# KiCad board poly_kb_molecule_16x5.kicad_pcb (continued)
## Placement (name value [footprint] x y rotation side) (continued)
J4#51  EastFront  [AtomConnect2]  265.68 9.53 270 top
J4#52  EastFront  [AtomConnect2]  37.08 47.62 270 top
J4#53  EastFront  [AtomConnect2]  56.13 85.72 270 top
J4#54  EastFront  [AtomConnect2]  246.63 66.67 270 top
J4#55  EastFront  [AtomConnect2]  170.43 85.72 270 top
J4#56  EastFront  [AtomConnect2]  75.18 28.58 270 top
J4#57  EastFront  [AtomConnect2]  94.23 66.67 270 top
J4#58  EastFront  [AtomConnect2]  151.38 85.72 270 top
J4#59  EastFront  [AtomConnect2]  227.58 85.72 270 top
J4#60  EastFront  [AtomConnect2]  265.68 85.72 270 top
J4#61  EastFront  [AtomConnect2]  151.38 47.62 270 top
J4#62  EastFront  [AtomConnect2]  189.48 9.53 270 top
J4#63  EastFront  [AtomConnect2]  94.23 47.62 270 top
J4#64  EastFront  [AtomConnect2]  284.73 28.58 270 top
J4#65  EastFront  [AtomConnect2]  189.48 28.58 270 top
J4#66  EastFront  [AtomConnect2]  246.63 85.72 270 top
J4#67  EastFront  [AtomConnect2]  37.08 28.58 270 top
J4#68  EastFront  [AtomConnect2]  170.43 28.58 270 top
J4#69  EastFront  [AtomConnect2]  227.58 9.53 270 top
J4#70  EastFront  [AtomConnect2]  18.03 28.58 270 top
J4#71  EastFront  [AtomConnect2]  284.73 47.62 270 top
J4#72  EastFront  [AtomConnect2]  18.03 66.67 270 top
J4#73  EastFront  [AtomConnect2]  56.13 9.53 270 top
J4#74  EastFront  [AtomConnect2]  246.63 28.58 270 top
J4#75  EastFront  [AtomConnect2]  303.78 28.58 270 top
J4#76  EastFront  [AtomConnect2]  56.13 28.58 270 top
J4#77  EastFront  [AtomConnect2]  151.38 9.53 270 top
J4#78  EastFront  [AtomConnect2]  170.43 66.67 270 top
J4#79  EastFront  [AtomConnect2]  37.08 85.72 270 top
J4#80  EastFront  [AtomConnect2]  303.78 66.67 270 top
J5  WestBack  [AtomConnectCS]  1.02 85.72 270 bottom
J5#2  WestBack  [AtomConnectCS]  229.62 47.62 270 bottom
J5#3  WestBack  [AtomConnectCS]  39.12 85.72 270 bottom
J5#4  WestBack  [AtomConnectCS]  153.42 28.58 270 bottom
J5#5  WestBack  [AtomConnectCS]  1.02 28.58 270 bottom
J5#6  WestBack  [AtomConnectCS]  58.17 28.58 270 bottom
J5#7  WestBack  [AtomConnectCS]  286.77 28.58 270 bottom
J5#8  WestBack  [AtomConnectCS]  20.07 47.62 270 bottom
J5#9  WestBack  [AtomConnectCS]  58.17 9.53 270 bottom
J5#10  WestBack  [AtomConnectCS]  229.62 28.58 270 bottom
J5#11  WestBack  [AtomConnectCS]  77.22 9.53 270 bottom
J5#12  WestBack  [AtomConnectCS]  96.27 9.53 270 bottom
J5#13  WestBack  [AtomConnectCS]  267.72 9.53 270 bottom
J5#14  WestBack  [AtomConnectCS]  229.62 9.53 270 bottom
J5#15  WestBack  [AtomConnectCS]  191.52 66.67 270 bottom
J5#16  WestBack  [AtomConnectCS]  286.77 9.53 270 bottom
J5#17  WestBack  [AtomConnectCS]  248.67 9.53 270 bottom
J5#18  WestBack  [AtomConnectCS]  115.32 47.62 270 bottom
J5#19  WestBack  [AtomConnectCS]  172.47 28.58 270 bottom
J5#20  WestBack  [AtomConnectCS]  210.57 85.72 270 bottom
J5#21  WestBack  [AtomConnectCS]  58.17 66.67 270 bottom
J5#22  WestBack  [AtomConnectCS]  77.22 85.72 270 bottom
J5#23  WestBack  [AtomConnectCS]  77.22 28.58 270 bottom
J5#24  WestBack  [AtomConnectCS]  267.72 28.58 270 bottom
J5#25  WestBack  [AtomConnectCS]  153.42 66.67 270 bottom
J5#26  WestBack  [AtomConnectCS]  191.52 85.72 270 bottom
J5#27  WestBack  [AtomConnectCS]  134.37 85.72 270 bottom
J5#28  WestBack  [AtomConnectCS]  96.27 47.62 270 bottom
J5#29  WestBack  [AtomConnectCS]  77.22 66.67 270 bottom
J5#30  WestBack  [AtomConnectCS]  96.27 28.58 270 bottom
J5#31  WestBack  [AtomConnectCS]  39.12 47.62 270 bottom
J5#32  WestBack  [AtomConnectCS]  20.07 9.53 270 bottom
J5#33  WestBack  [AtomConnectCS]  286.77 47.62 270 bottom
J5#34  WestBack  [AtomConnectCS]  153.42 85.72 270 bottom
J5#35  WestBack  [AtomConnectCS]  172.47 9.53 270 bottom
J5#36  WestBack  [AtomConnectCS]  248.67 66.67 270 bottom
J5#37  WestBack  [AtomConnectCS]  191.52 9.53 270 bottom
J5#38  WestBack  [AtomConnectCS]  20.07 66.67 270 bottom
J5#39  WestBack  [AtomConnectCS]  115.32 85.72 270 bottom
J5#40  WestBack  [AtomConnectCS]  1.02 9.53 270 bottom
J5#41  WestBack  [AtomConnectCS]  248.67 28.58 270 bottom
J5#42  WestBack  [AtomConnectCS]  210.57 9.53 270 bottom
J5#43  WestBack  [AtomConnectCS]  172.47 85.72 270 bottom
J5#44  WestBack  [AtomConnectCS]  172.47 47.62 270 bottom
J5#45  WestBack  [AtomConnectCS]  191.52 28.58 270 bottom
J5#46  WestBack  [AtomConnectCS]  96.27 85.72 270 bottom
J5#47  WestBack  [AtomConnectCS]  267.72 47.62 270 bottom
J5#48  WestBack  [AtomConnectCS]  96.27 66.67 270 bottom
J5#49  WestBack  [AtomConnectCS]  248.67 47.62 270 bottom
J5#50  WestBack  [AtomConnectCS]  77.22 47.62 270 bottom
J5#51  WestBack  [AtomConnectCS]  115.32 66.67 270 bottom
J5#52  WestBack  [AtomConnectCS]  134.37 9.53 270 bottom
J5#53  WestBack  [AtomConnectCS]  1.02 66.67 270 bottom
J5#54  WestBack  [AtomConnectCS]  229.62 85.72 270 bottom
J5#55  WestBack  [AtomConnectCS]  210.57 28.58 270 bottom
J5#56  WestBack  [AtomConnectCS]  58.17 85.72 270 bottom
J5#57  WestBack  [AtomConnectCS]  153.42 9.53 270 bottom
J5#58  WestBack  [AtomConnectCS]  248.67 85.72 270 bottom
J5#59  WestBack  [AtomConnectCS]  229.62 66.67 270 bottom
J5#60  WestBack  [AtomConnectCS]  172.47 66.67 270 bottom
J5#61  WestBack  [AtomConnectCS]  58.17 47.62 270 bottom
J5#62  WestBack  [AtomConnectCS]  115.32 28.58 270 bottom
J5#63  WestBack  [AtomConnectCS]  20.07 28.58 270 bottom
J5#64  WestBack  [AtomConnectCS]  267.72 66.67 270 bottom
J5#65  WestBack  [AtomConnectCS]  20.07 85.72 270 bottom
J5#66  WestBack  [AtomConnectCS]  115.32 9.53 270 bottom
J5#67  WestBack  [AtomConnectCS]  1.02 47.62 270 bottom
J5#68  WestBack  [AtomConnectCS]  267.72 85.72 270 bottom
J5#69  WestBack  [AtomConnectCS]  39.12 66.67 270 bottom
J5#70  WestBack  [AtomConnectCS]  286.77 66.67 270 bottom
J5#71  WestBack  [AtomConnectCS]  39.12 9.53 270 bottom
J5#72  WestBack  [AtomConnectCS]  153.42 47.62 270 bottom
J5#73  WestBack  [AtomConnectCS]  134.37 28.58 270 bottom
J5#74  WestBack  [AtomConnectCS]  134.37 66.67 270 bottom
J5#75  WestBack  [AtomConnectCS]  210.57 66.67 270 bottom
J5#76  WestBack  [AtomConnectCS]  134.37 47.62 270 bottom
J5#77  WestBack  [AtomConnectCS]  39.12 28.58 270 bottom
J5#78  WestBack  [AtomConnectCS]  286.77 85.72 270 bottom
J5#79  WestBack  [AtomConnectCS]  210.57 47.62 270 bottom
J5#80  WestBack  [AtomConnectCS]  191.52 47.62 270 bottom
J6  EastBack  [AtomConnect2]  18.03 85.72 270 bottom
J6#2  EastBack  [AtomConnect2]  265.68 28.58 270 bottom
J6#3  EastBack  [AtomConnect2]  37.08 66.67 270 bottom
J6#4  EastBack  [AtomConnect2]  113.28 66.67 270 bottom
J6#5  EastBack  [AtomConnect2]  170.43 66.67 270 bottom
J6#6  EastBack  [AtomConnect2]  37.08 85.72 270 bottom
J6#7  EastBack  [AtomConnect2]  170.43 9.53 270 bottom
J6#8  EastBack  [AtomConnect2]  303.78 66.67 270 bottom
J6#9  EastBack  [AtomConnect2]  303.78 9.53 270 bottom
J6#10  EastBack  [AtomConnect2]  113.28 9.53 270 bottom
J6#11  EastBack  [AtomConnect2]  189.48 85.72 270 bottom
J6#12  EastBack  [AtomConnect2]  189.48 47.62 270 bottom
J6#13  EastBack  [AtomConnect2]  170.43 47.62 270 bottom
J6#14  EastBack  [AtomConnect2]  208.53 9.53 270 bottom
J6#15  EastBack  [AtomConnect2]  303.78 47.62 270 bottom
J6#16  EastBack  [AtomConnect2]  227.58 47.62 270 bottom
J6#17  EastBack  [AtomConnect2]  284.73 66.67 270 bottom
J6#18  EastBack  [AtomConnect2]  132.33 66.67 270 bottom
J6#19  EastBack  [AtomConnect2]  170.43 85.72 270 bottom
J6#20  EastBack  [AtomConnect2]  18.03 47.62 270 bottom
J6#21  EastBack  [AtomConnect2]  303.78 28.58 270 bottom
J6#22  EastBack  [AtomConnect2]  265.68 47.62 270 bottom
J6#23  EastBack  [AtomConnect2]  75.18 66.67 270 bottom
J6#24  EastBack  [AtomConnect2]  18.03 28.58 270 bottom
J6#25  EastBack  [AtomConnect2]  94.23 66.67 270 bottom
J6#26  EastBack  [AtomConnect2]  94.23 85.72 270 bottom
J6#27  EastBack  [AtomConnect2]  75.18 28.58 270 bottom
J6#28  EastBack  [AtomConnect2]  227.58 28.58 270 bottom
J6#29  EastBack  [AtomConnect2]  246.63 28.58 270 bottom
J6#30  EastBack  [AtomConnect2]  227.58 66.67 270 bottom
J6#31  EastBack  [AtomConnect2]  75.18 85.72 270 bottom
J6#32  EastBack  [AtomConnect2]  170.43 28.58 270 bottom
J6#33  EastBack  [AtomConnect2]  113.28 47.62 270 bottom
J6#34  EastBack  [AtomConnect2]  303.78 85.72 270 bottom
J6#35  EastBack  [AtomConnect2]  56.13 47.62 270 bottom
J6#36  EastBack  [AtomConnect2]  246.63 9.53 270 bottom
J6#37  EastBack  [AtomConnect2]  208.53 47.62 270 bottom
J6#38  EastBack  [AtomConnect2]  189.48 28.58 270 bottom
J6#39  EastBack  [AtomConnect2]  246.63 47.62 270 bottom
J6#40  EastBack  [AtomConnect2]  132.33 28.58 270 bottom
J6#41  EastBack  [AtomConnect2]  208.53 66.67 270 bottom
J6#42  EastBack  [AtomConnect2]  265.68 66.67 270 bottom
J6#43  EastBack  [AtomConnect2]  284.73 28.58 270 bottom
J6#44  EastBack  [AtomConnect2]  56.13 85.72 270 bottom
J6#45  EastBack  [AtomConnect2]  246.63 66.67 270 bottom
J6#46  EastBack  [AtomConnect2]  113.28 85.72 270 bottom
J6#47  EastBack  [AtomConnect2]  189.48 9.53 270 bottom
J6#48  EastBack  [AtomConnect2]  37.08 47.62 270 bottom
J6#49  EastBack  [AtomConnect2]  284.73 85.72 270 bottom
J6#50  EastBack  [AtomConnect2]  227.58 85.72 270 bottom
J6#51  EastBack  [AtomConnect2]  75.18 47.62 270 bottom
J6#52  EastBack  [AtomConnect2]  246.63 85.72 270 bottom
J6#53  EastBack  [AtomConnect2]  94.23 9.53 270 bottom
J6#54  EastBack  [AtomConnect2]  208.53 85.72 270 bottom
J6#55  EastBack  [AtomConnect2]  75.18 9.53 270 bottom
J6#56  EastBack  [AtomConnect2]  56.13 9.53 270 bottom
J6#57  EastBack  [AtomConnect2]  56.13 28.58 270 bottom
J6#58  EastBack  [AtomConnect2]  208.53 28.58 270 bottom
J6#59  EastBack  [AtomConnect2]  56.13 66.67 270 bottom
J6#60  EastBack  [AtomConnect2]  132.33 9.53 270 bottom
J6#61  EastBack  [AtomConnect2]  227.58 9.53 270 bottom
J6#62  EastBack  [AtomConnect2]  265.68 85.72 270 bottom
J6#63  EastBack  [AtomConnect2]  37.08 9.53 270 bottom
J6#64  EastBack  [AtomConnect2]  189.48 66.67 270 bottom
J6#65  EastBack  [AtomConnect2]  18.03 9.53 270 bottom
J6#66  EastBack  [AtomConnect2]  94.23 47.62 270 bottom
J6#67  EastBack  [AtomConnect2]  284.73 9.53 270 bottom
J6#68  EastBack  [AtomConnect2]  132.33 47.62 270 bottom
J6#69  EastBack  [AtomConnect2]  265.68 9.53 270 bottom
J6#70  EastBack  [AtomConnect2]  132.33 85.72 270 bottom
J6#71  EastBack  [AtomConnect2]  284.73 47.62 270 bottom
J6#72  EastBack  [AtomConnect2]  113.28 28.58 270 bottom
J6#73  EastBack  [AtomConnect2]  94.23 28.58 270 bottom
J6#74  EastBack  [AtomConnect2]  37.08 28.58 270 bottom
J6#75  EastBack  [AtomConnect2]  18.03 66.67 270 bottom
J7  South  [TestPoin_1.5x1.5mm_Drill0.7mm]  136.91 0.76 0 top
J7#2  South  [TestPoin_1.5x1.5mm_Drill0.7mm]  251.21 0.76 0 top
J7#3  South  [TestPoin_1.5x1.5mm_Drill0.7mm]  98.81 0.76 0 top
J7#4  South  [TestPoin_1.5x1.5mm_Drill0.7mm]  41.66 0.76 0 top
J7#5  South  [TestPoin_1.5x1.5mm_Drill0.7mm]  155.96 0.76 0 top
J7#6  South  [TestPoin_1.5x1.5mm_Drill0.7mm]  232.16 0.76 0 top
J7#7  South  [TestPoin_1.5x1.5mm_Drill0.7mm]  22.61 0.76 0 top
J7#8  South  [TestPoin_1.5x1.5mm_Drill0.7mm]  117.86 0.76 0 top
J7#9  South  [TestPoin_1.5x1.5mm_Drill0.7mm]  3.56 0.76 0 top
J7#10  South  [TestPoin_1.5x1.5mm_Drill0.7mm]  175.01 0.76 0 top
J7#11  South  [TestPoin_1.5x1.5mm_Drill0.7mm]  213.11 0.76 0 top
J7#12  South  [TestPoin_1.5x1.5mm_Drill0.7mm]  194.06 0.76 0 top
J7#13  South  [TestPoin_1.5x1.5mm_Drill0.7mm]  60.71 0.76 0 top
J7#14  South  [TestPoin_1.5x1.5mm_Drill0.7mm]  270.26 0.76 0 top
J7#15  South  [TestPoin_1.5x1.5mm_Drill0.7mm]  79.76 0.76 0 top
J7#16  South  [TestPoin_1.5x1.5mm_Drill0.7mm]  289.31 0.76 0 top
J8  North2  [TestPoin_1.5x1.5mm_Drill0.7mm]  3.56 94.49 0 top
J8#2  North2  [TestPoin_1.5x1.5mm_Drill0.7mm]  194.06 94.49 0 top
J8#3  North2  [TestPoin_1.5x1.5mm_Drill0.7mm]  270.26 94.49 0 top
J8#4  North2  [TestPoin_1.5x1.5mm_Drill0.7mm]  41.66 94.49 0 top
J8#5  North2  [TestPoin_1.5x1.5mm_Drill0.7mm]  251.21 94.49 0 top
J8#6  North2  [TestPoin_1.5x1.5mm_Drill0.7mm]  155.96 94.49 0 top
J8#7  North2  [TestPoin_1.5x1.5mm_Drill0.7mm]  232.16 94.49 0 top
J8#8  North2  [TestPoin_1.5x1.5mm_Drill0.7mm]  22.61 94.49 0 top
J8#9  North2  [TestPoin_1.5x1.5mm_Drill0.7mm]  79.76 94.49 0 top
J8#10  North2  [TestPoin_1.5x1.5mm_Drill0.7mm]  175.01 94.49 0 top
J8#11  North2  [TestPoin_1.5x1.5mm_Drill0.7mm]  213.11 94.49 0 top
J8#12  North2  [TestPoin_1.5x1.5mm_Drill0.7mm]  136.91 94.49 0 top
J8#13  North2  [TestPoin_1.5x1.5mm_Drill0.7mm]  60.71 94.49 0 top
J8#14  North2  [TestPoin_1.5x1.5mm_Drill0.7mm]  98.81 94.49 0 top
J8#15  North2  [TestPoin_1.5x1.5mm_Drill0.7mm]  289.31 94.49 0 top
J8#16  North2  [TestPoin_1.5x1.5mm_Drill0.7mm]  117.86 94.49 0 top
J9  South2  [TestPoin_1.5x1.5mm_Drill0.7mm]  263.14 0.76 0 top
J9#2  South2  [TestPoin_1.5x1.5mm_Drill0.7mm]  205.99 0.76 0 top
J9#3  South2  [TestPoin_1.5x1.5mm_Drill0.7mm]  91.69 0.76 0 top
J9#4  South2  [TestPoin_1.5x1.5mm_Drill0.7mm]  148.84 0.76 0 top
J9#5  South2  [TestPoin_1.5x1.5mm_Drill0.7mm]  282.19 0.76 0 top
J9#6  South2  [TestPoin_1.5x1.5mm_Drill0.7mm]  129.79 0.76 0 top
J9#7  South2  [TestPoin_1.5x1.5mm_Drill0.7mm]  225.04 0.76 0 top
J9#8  South2  [TestPoin_1.5x1.5mm_Drill0.7mm]  186.94 0.76 0 top
J9#9  South2  [TestPoin_1.5x1.5mm_Drill0.7mm]  72.64 0.76 0 top
J9#10  South2  [TestPoin_1.5x1.5mm_Drill0.7mm]  15.49 0.76 0 top
J9#11  South2  [TestPoin_1.5x1.5mm_Drill0.7mm]  110.74 0.76 0 top
J9#12  South2  [TestPoin_1.5x1.5mm_Drill0.7mm]  167.89 0.76 0 top
J9#13  South2  [TestPoin_1.5x1.5mm_Drill0.7mm]  53.59 0.76 0 top
J9#14  South2  [TestPoin_1.5x1.5mm_Drill0.7mm]  301.24 0.76 0 top
J9#15  South2  [TestPoin_1.5x1.5mm_Drill0.7mm]  34.54 0.76 0 top
J9#16  South2  [TestPoin_1.5x1.5mm_Drill0.7mm]  244.09 0.76 0 top
kibuzzard-61EFA8F1  G***  [kibuzzard-61EFA8F1]  225.27 3.53 0 top
kibuzzard-61EFA8F1#2  G***  [kibuzzard-61EFA8F1]  34.77 79.73 0 top
kibuzzard-61EFA8F1#3  G***  [kibuzzard-61EFA8F1]  53.82 22.58 0 top
kibuzzard-61EFA8F1#4  G***  [kibuzzard-61EFA8F1]  282.42 60.68 0 top
kibuzzard-61EFA8F1#5  G***  [kibuzzard-61EFA8F1]  72.87 41.63 0 top
kibuzzard-61EFA8F1#6  G***  [kibuzzard-61EFA8F1]  263.37 22.58 0 top
kibuzzard-61EFA8F1#7  G***  [kibuzzard-61EFA8F1]  130.02 22.58 0 top
kibuzzard-61EFA8F1#8  G***  [kibuzzard-61EFA8F1]  168.12 3.53 0 top
kibuzzard-61EFA8F1#9  G***  [kibuzzard-61EFA8F1]  225.27 79.73 0 top
kibuzzard-61EFA8F1#10  G***  [kibuzzard-61EFA8F1]  91.92 22.58 0 top
kibuzzard-61EFA8F1#11  G***  [kibuzzard-61EFA8F1]  149.07 79.73 0 top
kibuzzard-61EFA8F1#12  G***  [kibuzzard-61EFA8F1]  110.97 79.73 0 top
kibuzzard-61EFA8F1#13  G***  [kibuzzard-61EFA8F1]  53.82 41.63 0 top
kibuzzard-61EFA8F1#14  G***  [kibuzzard-61EFA8F1]  301.47 60.68 0 top
kibuzzard-61EFA8F1#15  G***  [kibuzzard-61EFA8F1]  168.12 79.73 0 top
kibuzzard-61EFA8F1#16  G***  [kibuzzard-61EFA8F1]  187.17 79.73 0 top
kibuzzard-61EFA8F1#17  G***  [kibuzzard-61EFA8F1]  168.12 60.68 0 top
kibuzzard-61EFA8F1#18  G***  [kibuzzard-61EFA8F1]  130.02 41.63 0 top
kibuzzard-61EFA8F1#19  G***  [kibuzzard-61EFA8F1]  91.92 41.63 0 top
kibuzzard-61EFA8F1#20  G***  [kibuzzard-61EFA8F1]  72.87 60.68 0 top
kibuzzard-61EFA8F1#21  G***  [kibuzzard-61EFA8F1]  130.02 60.68 0 top
kibuzzard-61EFA8F1#22  G***  [kibuzzard-61EFA8F1]  110.97 41.63 0 top
kibuzzard-61EFA8F1#23  G***  [kibuzzard-61EFA8F1]  282.42 41.63 0 top
kibuzzard-61EFA8F1#24  G***  [kibuzzard-61EFA8F1]  206.22 41.63 0 top
kibuzzard-61EFA8F1#25  G***  [kibuzzard-61EFA8F1]  15.72 22.58 0 top
kibuzzard-61EFA8F1#26  G***  [kibuzzard-61EFA8F1]  130.02 3.53 0 top
kibuzzard-61EFA8F1#27  G***  [kibuzzard-61EFA8F1]  168.12 22.58 0 top
kibuzzard-61EFA8F1#28  G***  [kibuzzard-61EFA8F1]  149.07 3.53 0 top
kibuzzard-61EFA8F1#29  G***  [kibuzzard-61EFA8F1]  244.32 79.73 0 top
kibuzzard-61EFA8F1#30  G***  [kibuzzard-61EFA8F1]  91.92 79.73 0 top
kibuzzard-61EFA8F1#31  G***  [kibuzzard-61EFA8F1]  34.77 60.68 0 top
kibuzzard-61EFA8F1#32  G***  [kibuzzard-61EFA8F1]  15.72 79.73 0 top
kibuzzard-61EFA8F1#33  G***  [kibuzzard-61EFA8F1]  15.72 3.53 0 top
kibuzzard-61EFA8F1#34  G***  [kibuzzard-61EFA8F1]  168.12 41.63 0 top
kibuzzard-61EFA8F1#35  G***  [kibuzzard-61EFA8F1]  187.17 22.58 0 top
kibuzzard-61EFA8F1#36  G***  [kibuzzard-61EFA8F1]  301.47 79.73 0 top
kibuzzard-61EFA8F1#37  G***  [kibuzzard-61EFA8F1]  53.82 60.68 0 top
kibuzzard-61EFA8F1#38  G***  [kibuzzard-61EFA8F1]  301.47 3.53 0 top
kibuzzard-61EFA8F1#39  G***  [kibuzzard-61EFA8F1]  263.37 41.63 0 top
kibuzzard-61EFA8F1#40  G***  [kibuzzard-61EFA8F1]  110.97 60.68 0 top
kibuzzard-61EFA8F1#41  G***  [kibuzzard-61EFA8F1]  282.42 22.58 0 top
kibuzzard-61EFA8F1#42  G***  [kibuzzard-61EFA8F1]  91.92 3.53 0 top
kibuzzard-61EFA8F1#43  G***  [kibuzzard-61EFA8F1]  244.32 60.68 0 top
kibuzzard-61EFA8F1#44  G***  [kibuzzard-61EFA8F1]  244.32 41.63 0 top
kibuzzard-61EFA8F1#45  G***  [kibuzzard-61EFA8F1]  34.77 3.53 0 top
kibuzzard-61EFA8F1#46  G***  [kibuzzard-61EFA8F1]  53.82 79.73 0 top
kibuzzard-61EFA8F1#47  G***  [kibuzzard-61EFA8F1]  187.17 41.63 0 top
kibuzzard-61EFA8F1#48  G***  [kibuzzard-61EFA8F1]  130.02 79.73 0 top
kibuzzard-61EFA8F1#49  G***  [kibuzzard-61EFA8F1]  149.07 60.68 0 top
kibuzzard-61EFA8F1#50  G***  [kibuzzard-61EFA8F1]  187.17 3.53 0 top
kibuzzard-61EFA8F1#51  G***  [kibuzzard-61EFA8F1]  110.97 22.58 0 top
kibuzzard-61EFA8F1#52  G***  [kibuzzard-61EFA8F1]  282.42 79.73 0 top
kibuzzard-61EFA8F1#53  G***  [kibuzzard-61EFA8F1]  34.77 41.63 0 top
kibuzzard-61EFA8F1#54  G***  [kibuzzard-61EFA8F1]  282.42 3.53 0 top
kibuzzard-61EFA8F1#55  G***  [kibuzzard-61EFA8F1]  72.87 79.73 0 top
kibuzzard-61EFA8F1#56  G***  [kibuzzard-61EFA8F1]  263.37 60.68 0 top
kibuzzard-61EFA8F1#57  G***  [kibuzzard-61EFA8F1]  206.22 79.73 0 top
kibuzzard-61EFA8F1#58  G***  [kibuzzard-61EFA8F1]  206.22 22.58 0 top
kibuzzard-61EFA8F1#59  G***  [kibuzzard-61EFA8F1]  263.37 79.73 0 top
kibuzzard-61EFA8F1#60  G***  [kibuzzard-61EFA8F1]  244.32 22.58 0 top
kibuzzard-61EFA8F1#61  G***  [kibuzzard-61EFA8F1]  149.07 41.63 0 top
kibuzzard-61EFA8F1#62  G***  [kibuzzard-61EFA8F1]  301.47 41.63 0 top
kibuzzard-61EFA8F1#63  G***  [kibuzzard-61EFA8F1]  225.27 60.68 0 top
kibuzzard-61EFA8F1#64  G***  [kibuzzard-61EFA8F1]  225.27 41.63 0 top
kibuzzard-61EFA8F1#65  G***  [kibuzzard-61EFA8F1]  72.87 22.58 0 top
kibuzzard-61EFA8F1#66  G***  [kibuzzard-61EFA8F1]  244.32 3.53 0 top
kibuzzard-61EFA8F1#67  G***  [kibuzzard-61EFA8F1]  53.82 3.53 0 top
kibuzzard-61EFA8F1#68  G***  [kibuzzard-61EFA8F1]  91.92 60.68 0 top
kibuzzard-61EFA8F1#69  G***  [kibuzzard-61EFA8F1]  187.17 60.68 0 top
kibuzzard-61EFA8F1#70  G***  [kibuzzard-61EFA8F1]  149.07 22.58 0 top
kibuzzard-61EFA8F1#71  G***  [kibuzzard-61EFA8F1]  206.22 60.68 0 top
kibuzzard-61EFA8F1#72  G***  [kibuzzard-61EFA8F1]  34.77 22.58 0 top
kibuzzard-61EFA8F1#73  G***  [kibuzzard-61EFA8F1]  206.22 3.53 0 top
kibuzzard-61EFA8F1#74  G***  [kibuzzard-61EFA8F1]  72.87 3.53 0 top
kibuzzard-61EFA8F1#75  G***  [kibuzzard-61EFA8F1]  301.47 22.58 0 top
kibuzzard-61EFA8F1#76  G***  [kibuzzard-61EFA8F1]  15.72 41.63 0 top
kibuzzard-61EFA8F1#77  G***  [kibuzzard-61EFA8F1]  225.27 22.58 0 top
kibuzzard-61EFA8F1#78  G***  [kibuzzard-61EFA8F1]  15.72 60.68 0 top
kibuzzard-61EFA8F1#79  G***  [kibuzzard-61EFA8F1]  110.97 3.53 0 top
kibuzzard-61EFA8F1#80  G***  [kibuzzard-61EFA8F1]  263.37 3.53 0 top
kibuzzard-61EFAA6D  G***  [kibuzzard-61EFAA6D]  244.63 28.58 0 top
kibuzzard-61EFAA6D#2  G***  [kibuzzard-61EFAA6D]  301.78 28.58 0 top
kibuzzard-61EFAA6D#3  G***  [kibuzzard-61EFAA6D]  73.18 85.72 0 top
kibuzzard-61EFAA6D#4  G***  [kibuzzard-61EFAA6D]  225.58 85.72 0 top
kibuzzard-61EFAA6D#5  G***  [kibuzzard-61EFAA6D]  16.03 28.58 0 top
kibuzzard-61EFAA6D#6  G***  [kibuzzard-61EFAA6D]  130.33 9.53 0 top
kibuzzard-61EFAA6D#7  G***  [kibuzzard-61EFAA6D]  187.48 28.58 0 top
kibuzzard-61EFAA6D#8  G***  [kibuzzard-61EFAA6D]  92.23 9.53 0 top
kibuzzard-61EFAA6D#9  G***  [kibuzzard-61EFAA6D]  111.28 85.72 0 top
kibuzzard-61EFAA6D#10  G***  [kibuzzard-61EFAA6D]  149.38 85.72 0 top
kibuzzard-61EFAA6D#11  G***  [kibuzzard-61EFAA6D]  187.48 47.62 0 top
kibuzzard-61EFAA6D#12  G***  [kibuzzard-61EFAA6D]  92.23 47.62 0 top
kibuzzard-61EFAA6D#13  G***  [kibuzzard-61EFAA6D]  168.43 9.53 0 top
kibuzzard-61EFAA6D#14  G***  [kibuzzard-61EFAA6D]  149.38 28.58 0 top
kibuzzard-61EFAA6D#15  G***  [kibuzzard-61EFAA6D]  301.78 66.67 0 top
kibuzzard-61EFAA6D#16  G***  [kibuzzard-61EFAA6D]  206.53 66.67 0 top
kibuzzard-61EFAA6D#17  G***  [kibuzzard-61EFAA6D]  301.78 47.62 0 top
kibuzzard-61EFAA6D#18  G***  [kibuzzard-61EFAA6D]  225.58 9.53 0 top
kibuzzard-61EFAA6D#19  G***  [kibuzzard-61EFAA6D]  263.68 85.72 0 top
kibuzzard-61EFAA6D#20  G***  [kibuzzard-61EFAA6D]  111.28 9.53 0 top
kibuzzard-61EFAA6D#21  G***  [kibuzzard-61EFAA6D]  54.13 28.58 0 top
kibuzzard-61EFAA6D#22  G***  [kibuzzard-61EFAA6D]  130.33 28.58 0 top
kibuzzard-61EFAA6D#23  G***  [kibuzzard-61EFAA6D]  54.13 66.67 0 top
kibuzzard-61EFAA6D#24  G***  [kibuzzard-61EFAA6D]  168.43 66.67 0 top
kibuzzard-61EFAA6D#25  G***  [kibuzzard-61EFAA6D]  168.43 28.58 0 top
kibuzzard-61EFAA6D#26  G***  [kibuzzard-61EFAA6D]  35.08 9.53 0 top
kibuzzard-61EFAA6D#27  G***  [kibuzzard-61EFAA6D]  149.38 47.62 0 top
kibuzzard-61EFAA6D#28  G***  [kibuzzard-61EFAA6D]  206.53 47.62 0 top
kibuzzard-61EFAA6D#29  G***  [kibuzzard-61EFAA6D]  16.03 47.62 0 top
kibuzzard-61EFAA6D#30  G***  [kibuzzard-61EFAA6D]  206.53 9.53 0 top
kibuzzard-61EFAA6D#31  G***  [kibuzzard-61EFAA6D]  168.43 47.62 0 top
kibuzzard-61EFAA6D#32  G***  [kibuzzard-61EFAA6D]  73.18 66.67 0 top
kibuzzard-61EFAA6D#33  G***  [kibuzzard-61EFAA6D]  54.13 9.53 0 top
kibuzzard-61EFAA6D#34  G***  [kibuzzard-61EFAA6D]  130.33 47.62 0 top
kibuzzard-61EFAA6D#35  G***  [kibuzzard-61EFAA6D]  244.63 47.62 0 top
kibuzzard-61EFAA6D#36  G***  [kibuzzard-61EFAA6D]  54.13 47.62 0 top
kibuzzard-61EFAA6D#37  G***  [kibuzzard-61EFAA6D]  35.08 28.58 0 top
kibuzzard-61EFAA6D#38  G***  [kibuzzard-61EFAA6D]  73.18 47.62 0 top
kibuzzard-61EFAA6D#39  G***  [kibuzzard-61EFAA6D]  244.63 9.53 0 top
kibuzzard-61EFAA6D#40  G***  [kibuzzard-61EFAA6D]  187.48 85.72 0 top
kibuzzard-61EFAA6D#41  G***  [kibuzzard-61EFAA6D]  187.48 66.67 0 top
kibuzzard-61EFAA6D#42  G***  [kibuzzard-61EFAA6D]  73.18 9.53 0 top
kibuzzard-61EFAA6D#43  G***  [kibuzzard-61EFAA6D]  282.73 47.62 0 top
kibuzzard-61EFAA6D#44  G***  [kibuzzard-61EFAA6D]  16.03 9.53 0 top
kibuzzard-61EFAA6D#45  G***  [kibuzzard-61EFAA6D]  35.08 66.67 0 top
kibuzzard-61EFAA6D#46  G***  [kibuzzard-61EFAA6D]  282.73 28.58 0 top
kibuzzard-61EFAA6D#47  G***  [kibuzzard-61EFAA6D]  130.33 85.72 0 top
kibuzzard-61EFAA6D#48  G***  [kibuzzard-61EFAA6D]  92.23 85.72 0 top
kibuzzard-61EFAA6D#49  G***  [kibuzzard-61EFAA6D]  244.63 85.72 0 top
kibuzzard-61EFAA6D#50  G***  [kibuzzard-61EFAA6D]  301.78 85.72 0 top
kibuzzard-61EFAA6D#51  G***  [kibuzzard-61EFAA6D]  282.73 85.72 0 top
kibuzzard-61EFAA6D#52  G***  [kibuzzard-61EFAA6D]  263.68 9.53 0 top
kibuzzard-61EFAA6D#53  G***  [kibuzzard-61EFAA6D]  73.18 28.58 0 top
kibuzzard-61EFAA6D#54  G***  [kibuzzard-61EFAA6D]  244.63 66.67 0 top
kibuzzard-61EFAA6D#55  G***  [kibuzzard-61EFAA6D]  225.58 28.58 0 top
kibuzzard-61EFAA6D#56  G***  [kibuzzard-61EFAA6D]  35.08 85.72 0 top
kibuzzard-61EFAA6D#57  G***  [kibuzzard-61EFAA6D]  92.23 66.67 0 top
kibuzzard-61EFAA6D#58  G***  [kibuzzard-61EFAA6D]  282.73 9.53 0 top
kibuzzard-61EFAA6D#59  G***  [kibuzzard-61EFAA6D]  225.58 47.62 0 top
kibuzzard-61EFAA6D#60  G***  [kibuzzard-61EFAA6D]  111.28 66.67 0 top
kibuzzard-61EFAA6D#61  G***  [kibuzzard-61EFAA6D]  35.08 47.62 0 top
kibuzzard-61EFAA6D#62  G***  [kibuzzard-61EFAA6D]  282.73 66.67 0 top
kibuzzard-61EFAA6D#63  G***  [kibuzzard-61EFAA6D]  225.58 66.67 0 top
kibuzzard-61EFAA6D#64  G***  [kibuzzard-61EFAA6D]  206.53 28.58 0 top
kibuzzard-61EFAA6D#65  G***  [kibuzzard-61EFAA6D]  149.38 9.53 0 top
kibuzzard-61EFAA6D#66  G***  [kibuzzard-61EFAA6D]  301.78 9.53 0 top
kibuzzard-61EFAA6D#67  G***  [kibuzzard-61EFAA6D]  92.23 28.58 0 top
kibuzzard-61EFAA6D#68  G***  [kibuzzard-61EFAA6D]  111.28 28.58 0 top
kibuzzard-61EFAA6D#69  G***  [kibuzzard-61EFAA6D]  149.38 66.67 0 top
kibuzzard-61EFAA6D#70  G***  [kibuzzard-61EFAA6D]  54.13 85.72 0 top
kibuzzard-61EFAA6D#71  G***  [kibuzzard-61EFAA6D]  187.48 9.53 0 top
kibuzzard-61EFAA6D#72  G***  [kibuzzard-61EFAA6D]  16.03 66.67 0 top
kibuzzard-61EFAA6D#73  G***  [kibuzzard-61EFAA6D]  130.33 66.67 0 top
kibuzzard-61EFAA6D#74  G***  [kibuzzard-61EFAA6D]  111.28 47.62 0 top
kibuzzard-61EFAA6D#75  G***  [kibuzzard-61EFAA6D]  168.43 85.72 0 top
kibuzzard-61EFAA6D#76  G***  [kibuzzard-61EFAA6D]  16.03 85.72 0 top
kibuzzard-61EFAA6D#77  G***  [kibuzzard-61EFAA6D]  206.53 85.72 0 top
kibuzzard-61EFAA6D#78  G***  [kibuzzard-61EFAA6D]  263.68 47.62 0 top
kibuzzard-61EFAA6D#79  G***  [kibuzzard-61EFAA6D]  263.68 66.67 0 top
kibuzzard-61EFAA6D#80  G***  [kibuzzard-61EFAA6D]  263.68 28.58 0 top
kibuzzard-61EFABBF  G***  [kibuzzard-61EFABBF]  15.82 24.56 0 top
kibuzzard-61EFABBF#2  G***  [kibuzzard-61EFABBF]  263.47 24.56 0 top
kibuzzard-61EFABBF#3  G***  [kibuzzard-61EFABBF]  225.37 81.71 0 top